# Altium PCB ControlBoard.PcbDoc (part 2 of 3) (continued)
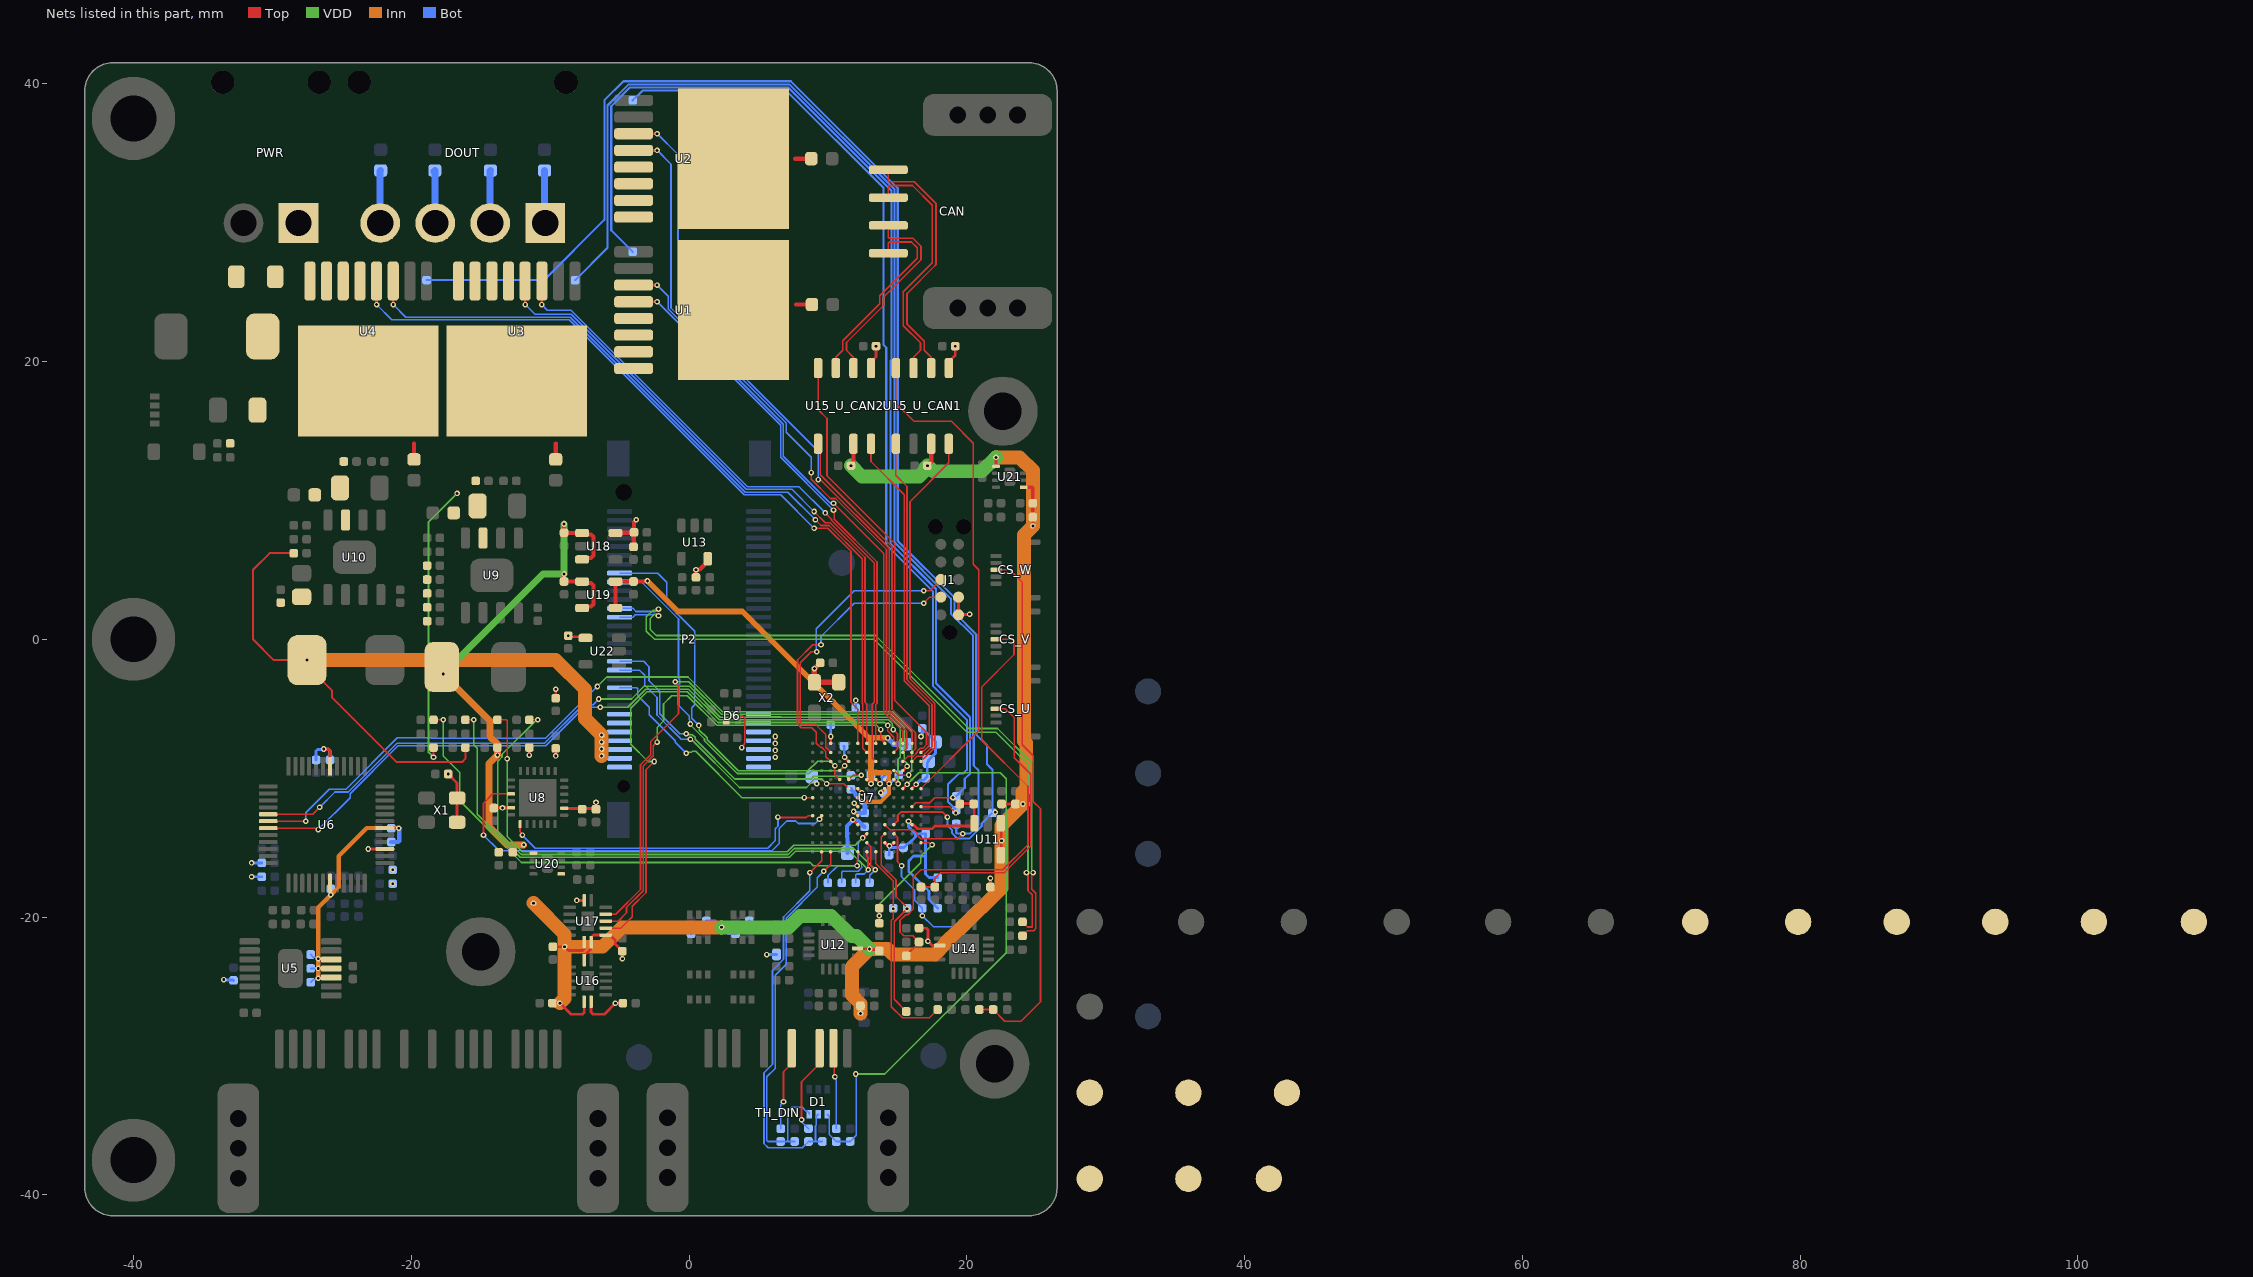
[diagram p6: the nets of this part, all layers, seen from the top]
## Part data (continued)
U18 U19: "LDO Regulator Pos 1.2V to 5.5V 0.4A Automotive 5-Pin SOT-23 T/R", Case/Package=SOT-23, Dropout Voltage=75mV, Manufacturer="Texas Instruments", Manufacturer Lifecycle Status=ACTIVE, Max Operating Temperature=125°C, Max Output current=400mA, Max Output Voltage=5.5V, Min Input Voltage=1.7V, Min Operating Temperature=-40°C, Min Output Voltage=1.2V, Output Voltage Accuracy=0.5%, Quiescent Current=300µA, Reference Voltage=1.21V, Supplier Part Number=296-36845-1-ND, Accuracy=1%, Category="LDO Voltage Regulators", ComponentLink1Description=https://sigma.octopart.com:443/177332311/technical_drawing/Texas-Instruments-TPS73601QDBVRQ1.pdf?src-supplier=Texas+Instruments, ComponentLink1URL=https://sigma.octopart.com:443/177332311/technical_drawing/Texas-Instruments-TPS73601QDBVRQ1.pdf?src-supplier=Texas+Instruments, ComponentLink2Description=https://octopart.com:443/opatz8j6/c1?t=IPrLS5GnXoEhlKIvtz8vMG7ybou4TW2YvgMpBNrA_XBAhXlKJ-zrlmMbTVttzpWN-kqJ0DoX4txIr-Aqzkx3XvKiTK9d7kplguMBUdBIgm-NC267quZrn1VNg12e0js8AT9Thc0GdTQDeFxHjO53u7kxM-RecPAvu05OmE9vMtDNG2p0jb4G6ceVO9_xYMpnSLp2EBQUC0MHOQO7NdqUr0_rllB7A0v-msh2wo99UWH-MCiJBTDrc9MeGvSxMuI3ivzzdCUtcAEoqCJ6K_E3PCyiy3lHf4XnvCOe_V8wTR0vzEiaJ2Yj43P2j64f32HLNWJ6_xf2cIxiYR0V7iX4t-HR5d5P2vTD5auGjySQBTSJVx_vKiry_PGPB71sg50onbc4Tboe&src-supplier=Texas+Instruments, ComponentLink2URL=https://octopart.com:443/opatz8j6/c1?t=IPrLS5GnXoEhlKIvtz8vMG7ybou4TW2YvgMpBNrA_XBAhXlKJ-zrlmMbTVttzpWN-kqJ0DoX4txIr-Aqzkx3XvKiTK9d7kplguMBUdBIgm-NC267quZrn1VNg12e0js8AT9Thc0GdTQDeFxHjO53u7kxM-RecPAvu05OmE9vMtDNG2p0jb4G6ceVO9_xYMpnSLp2EBQUC0MHOQO7NdqUr0_rllB7A0v-msh2wo99UWH-MCiJBTDrc9MeGvSxMuI3ivzzdCUtcAEoqCJ6K_E3PCyiy3lHf4XnvCOe_V8wTR0vzEiaJ2Yj43P2j64f32HLNWJ6_xf2cIxiYR0V7iX4t-HR5d5P2vTD5auGjySQBTSJVx_vKiry_PGPB71sg50onbc4Tboe&src-supplier=Texas+Instruments, ComponentLink3Description=https://sigma.octopart.com:443/175570406/technical_drawing/Texas-Instruments-TPS73601QDBVRQ1.pdf?src-supplier=Texas+Instruments, ComponentLink3URL=https://sigma.octopart.com:443/175570406/technical_drawing/Texas-Instruments-TPS73601QDBVRQ1.pdf?src-supplier=Texas+Instruments, ComponentLink4Description=https://sigma.octopart.com:443/169406034/technical_drawing/Texas-Instruments-TPS73601QDBVRQ1.pdf?src-supplier=Texas+Instruments, ComponentLink4URL=https://sigma.octopart.com:443/169406034/technical_drawing/Texas-Instruments-TPS73601QDBVRQ1.pdf?src-supplier=Texas+Instruments, ComponentLink5Description=https://sigma.octopart.com:443/155939316/technical_drawing/Texas-Instruments-TPS73601QDBVRQ1.pdf?src-supplier=Texas+Instruments, ComponentLink5URL=https://sigma.octopart.com:443/155939316/technical_drawing/Texas-Instruments-TPS73601QDBVRQ1.pdf?src-supplier=Texas+Instruments, ComponentLink6Description=https://sigma.octopart.com:443/102331370/technical_drawing/Texas-Instruments-TPS73601QDBVRQ1.pdf?src-supplier=Texas+Instruments, ComponentLink6URL=https://sigma.octopart.com:443/102331370/technical_drawing/Texas-Instruments-TPS73601QDBVRQ1.pdf?src-supplier=Texas+Instruments, ComponentLink7Description=https://datasheet.octopart.com:443/TPS73601QDBVRQ1-Texas-Instruments-datasheet-41218817.pdf?src-supplier=Texas+Instruments, ComponentLink7URL=https://datasheet.octopart.com:443/TPS73601QDBVRQ1-Texas-Instruments-datasheet-41218817.pdf?src-supplier=Texas+Instruments, ComponentLink8Description=https://sigma.octopart.com:443/49249325/technical_drawing/Texas-Instruments-TPS73601QDBVRQ1.pdf?src-supplier=Texas+Instruments, ComponentLink8URL=https://sigma.octopart.com:443/49249325/technical_drawing/Texas-Instruments-TPS73601QDBVRQ1.pdf?src-supplier=Texas+Instruments, ComponentLink9Description=https://datasheet.octopart.com:443/TPS73601QDBVRQ1-Texas-Instruments-datasheet-163782275.pdf?src-supplier=Augswan, ComponentLink9URL=https://datasheet.octopart.com:443/TPS73601QDBVRQ1-Texas-Instruments-datasheet-163782275.pdf?src-supplier=Augswan, ComponentLink10Description=http://sigma.octopart.com:80/reach_statement/Texas-Instruments-company-64.pdf?src-supplier=Compliance+Statements, ComponentLink10URL=http://sigma.octopart.com:80/reach_statement/Texas-Instruments-company-64.pdf?src-supplier=Compliance+Statements, ComponentLink11Description=http://sigma.octopart.com:80/conflict_mineral_statement/Texas-Instruments-company-63.pdf?src-supplier=Compliance+Statements, ComponentLink11URL=http://sigma.octopart.com:80/conflict_mineral_statement/Texas-Instruments-company-63.pdf?src-supplier=Compliance+Statements, Height=1.45mm, Lead Free="Lead Free", Length=2.9mm, Lifecycle Status=Production, Manufacturer Part Number=TPS73601QDBVRQ1, Max Supply Voltage=5.5V, Min Current Limit=400mA, Number of Channels=1, Number of Outputs=1, Number of Regulators=1, Output Current=400mA, Output Type=Adjustable, Output Voltage=5.5V, Packaging="Tape & Reel (TR)", Pins=5, Polarity=Positive, Pricing="1=2,89, 10=2,162, 25=1,9796, 100=1,7787, 250=1,68292, 500=1,62514, 1000=1,57759 (USD)", Radiation Hardening=No, RoHS=Compliant, Schedule B="8542390000, 8542390000|8542390000|8542390000|8542390000|8542390000", Stock=1826, Supplier=DigiKey, Supplier 1=DigiKey, Supplier Part Number 1=296-36845-1-ND, Thickness=1.2mm, Width=1.6mm
U20 U21: "Hot Swap Controller 1-CH 6V N-Channel Electronic Fuse/Hot Swap Controller 8-Pin DFN EP T/R", Manufacturer=Littelfuse, Max Operating Temperature=125°C, Max Supply Voltage=28V, Min Operating Temperature=-40°C, Min Supply Voltage=2.7V, Operating Supply Voltage=5V, Supplier Part Number=18-LS0505EVD22CT-ND, Category="Integrated Circuits (ICs)", ComponentLink1Description=https://datasheet.octopart.com:443/LS0505EVD22-Littelfuse-datasheet-166056112.pdf?src-supplier=IHS, ComponentLink1URL=https://datasheet.octopart.com:443/LS0505EVD22-Littelfuse-datasheet-166056112.pdf?src-supplier=IHS, Height - Seated (Max)=800µm, Length=2mm, Lifecycle Status=Production, Manufacturer Part Number=LS0505EVD22, Number of Channels=1, Number of Circuits=1, Number of Terminals=8, Pricing="1=0,75, 10=0,643, 100=0,5, 500=0,439, 1000=0,4131 (USD)", REACH SVHC=Yes, RoHS=Compliant, Stock=16008, Supplier=DigiKey, Supplier 1=DigiKey, Supplier Part Number 1=18-LS0505EVD22CT-ND, Terminal Pitch=500µm, Width=2mm
U22: "IC EEPROM 16KBIT I2C SOT23-5 EEPROM Memory IC 16Kbit I2C 1 MHz 450 ns SOT-23-5", Case/Package=SOT-23, Manufacturer=Microchip, Supplier Part Number=150-24FC16T-E/OT36KVAOTR-ND, Category=Memory, ComponentLink1Description=https://datasheet.octopart.com:443/24FC16T-E-OT36KVAO-Microchip-datasheet-159614128.pdf?src-supplier=Microchip, ComponentLink1URL=https://datasheet.octopart.com:443/24FC16T-E-OT36KVAO-Microchip-datasheet-159614128.pdf?src-supplier=Microchip, ComponentLink2Description=https://datasheet.octopart.com:443/24FC16T-E-OT36KVAO-Microchip-datasheet-185420243.pdf?src-supplier=Microchip, ComponentLink2URL=https://datasheet.octopart.com:443/24FC16T-E-OT36KVAO-Microchip-datasheet-185420243.pdf?src-supplier=Microchip, ComponentLink3Description=https://datasheet.octopart.com:443/24FC16T-E-OT36KVAO-Microchip-datasheet-138123575.pdf?src-supplier=Augswan, ComponentLink3URL=https://datasheet.octopart.com:443/24FC16T-E-OT36KVAO-Microchip-datasheet-138123575.pdf?src-supplier=Augswan, ComponentLink4Description=http://sigma.octopart.com:80/188449423/materials_sheet/Microchip-24FC16T-E-OT36KVAO.pdf?src-supplier=Compliance+Statements, ComponentLink4URL=http://sigma.octopart.com:80/188449423/materials_sheet/Microchip-24FC16T-E-OT36KVAO.pdf?src-supplier=Compliance+Statements, ComponentLink5Description=http://sigma.octopart.com:80/conflict_mineral_statement/Microchip-company-68.pdf?src-supplier=Compliance+Statements, ComponentLink5URL=http://sigma.octopart.com:80/conflict_mineral_statement/Microchip-company-68.pdf?src-supplier=Compliance+Statements, ComponentLink6Description=http://sigma.octopart.com:80/conflict_mineral_statement/Microchip-company-69.pdf?src-supplier=Compliance+Statements, ComponentLink6URL=http://sigma.octopart.com:80/conflict_mineral_statement/Microchip-company-69.pdf?src-supplier=Compliance+Statements, ComponentLink7Description=http://sigma.octopart.com:80/reach_statement/Microchip-company-70.pdf?src-supplier=Compliance+Statements, ComponentLink7URL=http://sigma.octopart.com:80/reach_statement/Microchip-company-70.pdf?src-supplier=Compliance+Statements, ComponentLink8Description=http://sigma.octopart.com:80/rohs_statement/Microchip-company-71.pdf?src-supplier=Compliance+Statements, ComponentLink8URL=http://sigma.octopart.com:80/rohs_statement/Microchip-company-71.pdf?src-supplier=Compliance+Statements, Country of Assembly=Thailand, Country of Fabrication="United States of America", Country of Origin=Thailand, Export Control Classification Number (ECCN) Code=EAR99, Harmonized Tariff Schedule (HTS) Code=8542.32.0051, Introduction Date=2021-08-26, Lifecycle Status=Production, Manufacturer Part Number=24FC16T-E/OT36KVAO, Pins=5, Pricing="3000=0,34 (USD)", Projected EOL Date=2049-08-26, Supplier=DigiKey, Supplier 1=DigiKey, Supplier Part Number 1=150-24FC16T-E/OT36KVAOTR-ND
X1 X2: "Crystal Oscillator 8MHz 1.8V/2.5V/3.3V 15pF 4-Pin SMD T/R", Frequency=8MHz, Frequency Stability=30ppm, Load Capacitance=15pF, Low Level Output Current=4mA, Manufacturer="KYOCERA AVX", Max Operating Temperature=125°C, Max Supply Current=6.5mA, Max Supply Voltage=3.63V, Min Operating Temperature=-40°C, Min Supply Voltage=1.71V, Supplier Part Number=478-MC3225Z8.00000C19XSHCT-ND, Category=Crystals, ComponentLink1Description=https://datasheet.octopart.com:443/MC3225Z8.00000C19XSH-KYOCERA-AVX-datasheet-165896879.pdf?src-supplier=IHS, ComponentLink1URL=https://datasheet.octopart.com:443/MC3225Z8.00000C19XSH-KYOCERA-AVX-datasheet-165896879.pdf?src-supplier=IHS, ComponentLink2Description=https://datasheet.octopart.com:443/MC3225Z80.0000C19XSH-KYOCERA-AVX-datasheet-180539762.pdf?src-supplier=IHS, ComponentLink2URL=https://datasheet.octopart.com:443/MC3225Z80.0000C19XSH-KYOCERA-AVX-datasheet-180539762.pdf?src-supplier=IHS, ComponentLink3Description=https://datasheet.octopart.com:443/MC3225Z8.00000C19XSH-KYOCERA-AVX-datasheet-188906256.pdf?src-supplier=TME, ComponentLink3URL=https://datasheet.octopart.com:443/MC3225Z8.00000C19XSH-KYOCERA-AVX-datasheet-188906256.pdf?src-supplier=TME, ComponentLink4Description=http://sigma.octopart.com:80/reach_statement/AVX-company-19.pdf?src-supplier=Compliance+Statements, ComponentLink4URL=http://sigma.octopart.com:80/reach_statement/AVX-company-19.pdf?src-supplier=Compliance+Statements, ComponentLink5Description=http://sigma.octopart.com:80/conflict_mineral_statement/AVX-company-34.pdf?src-supplier=Compliance+Statements, ComponentLink5URL=http://sigma.octopart.com:80/conflict_mineral_statement/AVX-company-34.pdf?src-supplier=Compliance+Statements, Fall Time=1.5ns, Lifecycle Status=Production, Manufacturer Part Number=MC3225Z8.00000C19XSH, Mounting Technology="Surface Mount", Number of Terminals=4, Pricing="1=1,44, 10=1,248, 25=1,18, 50=1,131, 100=1,0842, 250=1,02532, 500=0,98292, 1000=0,9423 (USD)", REACH SVHC=Yes, Rise Time=1.5ns, RoHS=Compliant, Stock=5787, Supplier=DigiKey, Supplier 1=DigiKey, Supplier Part Number 1=478-MC3225Z8.00000C19XSHCT-ND

## Free pads (board coordinates)
  round 6 hole 3.3: M(-40,-37.5) M(-40,0) M(-40,37.5)
  round 5 hole 2.7: M(-15,-22.5) M(22,-30.58) M(22.6,16.42)

## Via types
v1: diameter 0.4, hole 0.2, Top to Bot, tented both sides, 485 vias
v2: diameter 0.5, hole 0.25, Top to Bot, tented both sides, 15 vias

## Nets (pads, with @x,y where several pads share a name; then routed paths per layer and width w, separated by ;. In a path a pad name is that pad's centre, name@x,y a point inside that pad or via, vN(x,y) a via of type N, cw(c..) or ccw(c..) an arc to the next point about the centre after c; other vN are vias at no path point)
1V2: C38.1 C39.1 C40.1 C41.1 C42.1 C94.2 U7.F5 U7.F7 U7.G9 U7.J9 U19.4 U19.5 | length 42.3
  Top w0.2: v1(11.85,-12.4) U7.F5@12.15,-12.7 ; U7.F7@12.15,-11.4 v1(12.45,-11.7) ; U7.G9@12.8,-10.1 v1(13.1,-10.4) ; U7.J9@14.1,-10.1 v1(14.4,-10.4)
  Top w0.3: U19.4@-5.3,2.25 U19.5@-5.3,4.15 -5.295,4.155 -4.005,4.155 C94.2@-4,4.16 -3.067,4.16 -3.027,4.2 v1(-3,4.2)
  Inn w0.3: v1(12.45,-11.7) 13.798,-11.7 13.974,-11.524 14.223,-11.274 14.4,-11.098 v1(14.4,-10.4) 14.4,-9.6
  Inn w0.4: v1(-3,4.2) -0.8,2 3.844,2 10.068,-4.224 10.097,-4.224 10.376,-4.503 10.376,-4.532 12.944,-7.1 ; v1(13.1,-10.4) 13.1,-9.6 ; v1(14.3,-7.1) 13.1,-7.1 12.944,-7.1 ; 14.4,-9.6 13.1,-9.6 ; 12.944,-7.1 13.1,-7.256 13.1,-9.6
  Bot w0.2: v1(13.1,-10.4) C42.1@13.1,-9.76 ; v1(14.4,-10.4) 14.43,-10.4 15.07,-9.76 C41.1@15.1,-9.76
  Bot w0.3: C40.1@11.66,-10.8 11.66,-10.803 12.007,-11.149 12.007,-11.23 12.45,-11.673 v1(12.45,-11.7) 12.45,-11.727 12.649,-11.926 12.649,-12.491 C39.1@12.64,-12.5 11.977,-12.5 11.877,-12.4 v1(11.85,-12.4)
  Bot w0.4: v1(14.3,-7.1) 14.75,-7.55 C38.1@15.6,-7.55
3F_RECT_FB: P2.53 U7.D9 | length 28.1
  Top w0.1: v1(10.5,-9.1) 10.5,-9.75 U7.D9@10.85,-10.1
  VDD w0.1: v1(0.7,-6.2) 0.744,-6.244 0.744,-6.55 1.299,-7.106 1.299,-7.24 3.538,-9.479 8.55,-9.479 9.255,-8.774 10.174,-8.774 v1(10.5,-9.1)
  Bot w0.1: P2.53@-5,4.763 -2.262,4.763 -1.618,4.118 -1.618,2.582 0.4,0.563 0.4,-4.719 0.2,-4.919 0.2,-5.7 v1(0.7,-6.2)
3F_RECT_ON: P2.52 U7.D10 | length 26.8
  Top w0.12: U7.D10@10.85,-9.45 v1(11.2,-9.1)
  VDD w0.12: v1(0.1,-6.1) 0.1,-6.17 1.113,-7.183 1.113,-7.317 3.461,-9.665 8.627,-9.665 8.817,-9.475 10.825,-9.475 v1(11.2,-9.1)
  Bot w0.12: P2.52@-5,4.127 -3.427,4.127 -0.764,1.464 -0.764,-2.817 -0.664,-2.917 -0.664,-3.195 -0.764,-3.295 -0.764,-4.742 0.014,-5.519 0.014,-5.777 0.046,-5.81 0.046,-6.046 v1(0.1,-6.1)
3V3: C11.1 C15.1 C16.1 C26.1 C28.1 C29.1 C30.1 C31.1 C32.1 C33.1 C34.1 C36.1 C43.1 C47.1 C48.1 C49.2 C50.2 C51.2 C72.1 C74.1 C77.1 C80_U_CAN1.1 C80_U_CAN2.1 C87.1 C89.1 C92.2 D3.2 D6.1 FB1.1 J1.1 J1.2 P2.1 P2.2 P2.3 P2.4 P2.5 P2.6 P2.7 R20.1 R22.2 R23.2 R24.2 R25.2 R34.2 R42.2 R48.2 R102.1 R110.2 TP19.1 U6.3 U6.18 U7.C13 U7.E11 U7.F4 U7.F6 U7.F8 U7.H9 U7.J8 U7.M8 U8.5 U8.14 U13.5 U14.2 U15_U_CAN1.5 U15_U_CAN2.5 U16.1 U16.8 U17.1 U17.2 U17.8 U18.5 U22.4 X1.1 X1.4 X2.1 X2.4 | length 64.5
  Top w0.12: D6.1@2.675,-5.925 3.1,-5.5 3.83,-5.5 4,-5.67 4,-7.524 3.8,-7.724 v1(3.8,-7.8)
  Top w0.2: v1(-26.3,-7.9) -26.262,-7.938 -25.967,-7.938 -25.85,-8.055 U6.18@-25.85,-9.15 ; v1(-23.1,-15.1) U6.3@-21.9,-15.1 ; v1(-17.34,-9.7) -16.7,-10.34 X1.1@-16.7,-11.425 X1.4@-16.7,-13.175 ; C51.2@-14.05,-12.153 -14.04,-12.143 v1(-13.431,-12.143) -12.823,-12.143 U8.5@-12.813,-12.134 ; v1(-11.5,-8.34) R102.1@-11.5,-7.8 ; v1(-9.6,-8.4) R48.2@-9.6,-7.86 ; R42.2@-9.6,-4.24 v1(-9.6,-3.6) ; U8.14@-8.987,-12.166 -8.967,-12.186 -6.754,-12.186 C49.2@-6.7,-12.24 v1(-6.7,-11.75) ; v1(-8.7,0.26) -8.619,0.179 -7.535,0.179 U22.4@-7.454,0.097 ; v1(-8.09,-18.8) U17.8@-7.55,-18.8 ; U16.8@-7.55,-23.1 -7.55,-22.77 -7.07,-22.29 -7.07,-21.82 U17.1@-7.05,-21.8 -7.05,-21.47 -6.88,-21.3 U17.2@-6,-21.3 -5.67,-21.3 -5.313,-21.657 -5.313,-21.947 C87.1@-4.8,-22.46 v1(-4.8,-23) ; U16.1@-7.05,-26.1 -7.05,-26.85 -6.9,-27 -6.1,-27 v1(-5.3,-26.2) C89.1@-4.76,-26.2 ; U7.C13@10.2,-7.5 v1(10.2,-7) ; v1(11.2,-8.5) U7.E11@11.5,-8.8 ; v1(11.8,-13) U7.F4@12.15,-13.35 ; v1(11.9,-11.8) U7.F6@12.15,-12.05 ; U7.F8@12.15,-10.75 v1(12.45,-11.05) ; U15_U_CAN2.5@13.105,19.525 13.105,19.977 13.46,20.332 v1(13.46,21.1) ; U7.H9@13.45,-10.1 v1(13.75,-10.4) ; v1(13.8,-11.05) U7.J8@14.1,-10.75 ; U7.M8@16.05,-10.75 v1(16.35,-10.45) ; C77.1@16.56,-20.8 17.083,-20.8 17.2,-20.917 v1(17.2,-21.74) 17.51,-22.05 U14.2@18.05,-22.05 ; U15_U_CAN1.5@18.705,19.525 18.705,19.976 19.16,20.431 v1(19.16,21.1) ; J1.2@19.4,3.03 J1.1@19.4,1.76 19.42,1.78 20.18,1.78 v1(20.2,1.8)
  Top w0.3: U18.5@-5.3,7.65 -5.275,7.675 -3.985,7.675 C92.2@-3.98,7.68 ; R110.2@-4,6.66 -3.98,6.68 C92.2@-3.98,7.68 ; v1(-3.8,8.6) -3.96,8.44 C92.2@-3.96,7.7 C92.2@-3.98,7.68 ; C72.1@0.5,4.46 v1(0.5,5) 0.519,5.019 0.769,5.019 1.35,5.6 U13.5@1.35,5.8
  Top w0.4: C26.1@9.44,-1.7 v1(9.025,-2.115) X2.1@9.025,-3.1 X2.4@10.775,-3.1
  Bot w0.2: v1(-33.5,-24.5) -33.47,-24.53 -32.83,-24.53 R20.1@-32.8,-24.56 ; v1(-31.5,-17.1) R22.2@-30.76,-17.1 ; v1(-31.5,-16.1) R23.2@-30.76,-16.1 ; C15.1@-26.85,-8.69 -26.85,-8.055 -26.733,-7.938 -26.338,-7.938 v1(-26.3,-7.9) -25.967,-7.9 -25.85,-8.017 C16.1@-25.85,-8.69 ; v1(5.6,-22.7) D3.2@6.3,-22.7 ; v1(10.2,-7) C29.1@10.2,-6.16 ; C33.1@11.16,-7.7 11.18,-7.72 11.18,-8.48 v1(11.2,-8.5) ; R34.2@12,-4.94 v1(12,-4.4) ; v1(13.75,-10.4) 13.75,-10.346 13.924,-10.172 13.924,-9.936 C32.1@14.1,-9.76 ; v1(16.35,-10.45) 16.646,-10.154 16.886,-10.154 C48.1@17.04,-10 17.145,-9.895 17.145,-8.905 C28.1@17.25,-8.8 17.25,-8.707 17.75,-8.207 C43.1@17.75,-7.4 17.75,-7.372 C36.1@16.8,-6.422 ; v1(16.7,-7) 16.8,-6.9 C36.1@16.8,-6.422 ; C36.1@16.8,-6.42 C36.1@16.8,-6.422
  Bot w0.3: FB1.1@11.4,-15.4 11.4,-14.268 11.374,-14.242 11.374,-13.453 11.8,-13.027 v1(11.8,-13) 11.838,-13.038 12.148,-13.038 12.61,-13.5 C30.1@12.64,-13.5
  other v1: -21.34,-17.6 -21.34,-16.6 9.2,-10.4 6.2,-8.5 6.2,-8 6.2,-7.5 6.2,-7
3V3_MEAS_MCU: C86.1 R103.2 U7.G2 | length 41.8
  Top w0.12: R103.2@-11.5,-5.8 v1(-10.9,-5.8) ; U7.G2@12.8,-14.65 13.086,-14.936 13.086,-16.286 v1(13.4,-16.6)
  VDD w0.12: v1(-10.9,-5.8) -10.975,-5.8 -13.464,-8.288 -13.464,-8.479 -13.768,-8.783 -13.768,-13.81 -12.081,-15.496 7.151,-15.496 7.579,-15.068 11.868,-15.068 v1(13.4,-16.6)
  Bot w0.12: C86.1@13,-17.54 13,-17 v1(13.4,-16.6)
3V3REF: C27.1 C35.1 C37.1 C66.1 C67.1 R30.2 R31.2 TP20.1 U7.J2 U7.K2 U7.M4 U11.6 | length 22.9
  Top w0.2: U7.J2@14.1,-14.65 14.114,-14.65 14.342,-14.879 v1(14.425,-14.879) 14.508,-14.879 14.736,-14.65 U7.K2@14.75,-14.65 ; v1(15.8,-13.1) 15.808,-13.1 16.05,-13.342 U7.M4@16.05,-13.35 16.06,-13.36 16.178,-13.36 16.469,-13.651 17.482,-13.651 17.696,-13.437 20.363,-13.437 U11.6@20.55,-13.25 20.535,-13.235 20.535,-11.895 20.475,-11.835 19.525,-11.835 C67.1@19.5,-11.86
  Bot w0.2: C37.1@14.4,-15.54 14.412,-15.528 14.412,-14.891 v1(14.425,-14.879) 14.479,-14.879 14.6,-15 C27.1@15.44,-15 15.47,-15 15.794,-14.676 15.856,-14.676 16.3,-14.232 16.3,-14 ; v1(15.8,-13.1) 15.8,-13.5 16.3,-14 ; 17.004,-15.6 16.168,-15.6 15.824,-15.944 15.824,-16.719 17.058,-17.954 17.092,-17.954 17.286,-18.148 17.286,-18.746 R31.2@17.9,-19.36 ; 17.024,-16.894 17.024,-14.016 C35.1@17.04,-14 16.3,-14 ; 17.038,-16.908 17.29,-17.16 R30.2@17.9,-17.16
5V: C12.1 C13.1 C14.1 C17.2 C18.1 C19.1 C55.1 C56.1 C57.1 C58.1 C64.1 C65.1 C71.1 C81_U_CAN1.2 C81_U_CAN2.2 C88.2 C90.2 C91.2 C93.2 C100.1 C101.2 C104.1 C105.2 L1.2 R38.2 R59.1 R61.2 R62.2 R63.2 R64.2 R99.1 TP18.1 U5.10 U5.11 U5.12 U6.6 U6.43 U11.3 U11.4 U12.2 U15_U_CAN1.3 U15_U_CAN2.3 U16.14 U17.14 U18.1 U18.3 U19.1 U19.3 U20.1 U20.5 U21.1 U21.5 | length 184.4
  Top w0.12: v1(-26.7,-24.4) -26.675,-24.375 -25.787,-24.375 U5.10@-25.762,-24.35 ; v1(-26.7,-23.7) U5.11@-25.762,-23.7 ; v1(-26.7,-23) -26.675,-23.025 -25.787,-23.025 U5.12@-25.762,-23.05 ; U6.6@-21.9,-13.6 v1(-20.9,-13.6)
  Top w0.2: v1(-13.8,-8.34) R99.1@-13.8,-7.8 ; C90.2@-9.84,-26.2 v1(-9.3,-26.2) -8.5,-27 -7.667,-27 -7.55,-26.883 U16.14@-7.55,-26.1 ; C88.2@-9.8,-22.14 v1(-8.96,-22.14) -8.7,-22.4 -7.687,-22.4 -7.57,-22.283 -7.57,-21.82 U17.14@-7.55,-21.8 ; U12.2@12.129,-22.255 12.151,-22.278 12.978,-22.278 v1(13,-22.3) 13.038,-22.338 13.598,-22.338 C71.1@13.7,-22.44 ; v1(12.344,-26.942) R59.1@12.344,-26.402 ; U21.5@22.1,12.45 v1(22.1,13.09) ; U11.3@22.45,-15.55 22.475,-15.525 22.475,-14.525 v1(22.5,-14.5) 22.475,-14.475 22.475,-13.275 U11.4@22.45,-13.25 ; C65.1@22.5,-11.86 C64.1@23.5,-11.86 v1(24.04,-11.86) ; v1(24.76,8.16) C104.1@24.76,8.8
  Top w0.25: U21.1@24.1,10.95 24.11,10.96 24.69,10.96 24.76,10.89 C105.2@24.76,9.8 C104.1@24.76,8.8
  Top w0.3: v1(-9,4.7) C93.2@-9,4.16 -8.995,4.155 -7.705,4.155 -7.602,4.052 -7.05,4.052 -6.874,3.876 -6.874,2.524 -7.05,2.348 -7.602,2.348 U19.3@-7.7,2.25 ; v1(-9,8.3) C91.2@-9,7.66 -8.995,7.655 -7.705,7.655 -7.602,7.552 -7.05,7.552 -6.874,7.376 -6.874,6.024 -7.05,5.848 -7.602,5.848 U18.3@-7.7,5.75 ; v1(11.66,12.5) 11.66,12.503 11.835,12.678 U15_U_CAN2.3@11.835,14.075 ; v1(17.16,12.5) 17.16,12.503 17.435,12.778 U15_U_CAN1.3@17.435,14.075
  VDD w0.5: v1(-17.7,-2.5) -10.5,4.7 v1(-9,4.7) v1(-9,8.3)
  VDD w1: v1(2.342,-20.742) 7.158,-20.742 7.976,-19.924 10.24,-19.924 11.692,-21.376 12.076,-21.376 v1(13,-22.3) ; v1(11.66,12.5) 12.436,11.724 16.562,11.724 17.016,12.178 17.016,12.356 v1(17.16,12.5) 17.56,12.1 21.11,12.1 v1(22.1,13.09)
  Inn w0.3: v1(-26.7,-24.4) v1(-26.7,-23.7) v1(-26.7,-23) -26.7,-19.3 v1(-25.8,-18.4) -25.226,-17.826 -25.226,-15.623 -23.203,-13.6 v1(-20.9,-13.6)
  Inn w0.5: v1(-17.7,-2.5) -14.326,-5.874 -14.326,-7.018 -13.8,-7.544 v1(-13.8,-8.34) -14.4,-8.94 -14.4,-13.5 -13.1,-14.8 v1(-11.9,-14.8)
  Inn w1: v1(-11.2,-19) -8.96,-21.24 v1(-8.96,-22.14) ; v1(-9.3,-26.2) -8.96,-25.86 v1(-8.96,-22.14) ; v1(2.342,-20.742) -4.842,-20.742 -6.24,-22.14 v1(-8.96,-22.14) ; v1(12.344,-26.942) 12.344,-26.244 11.724,-25.624 11.724,-23.576 v1(13,-22.3) 14.3,-22.3 14.7,-22.7 17.7,-22.7 18.374,-22.026 18.374,-21.958 19.458,-20.874 19.526,-20.874 22.5,-17.9 v1(22.5,-14.5) 22.5,-13.4 v1(24.04,-11.86) 24.003,-11.823 24.003,-10.995 24.276,-10.722 24.276,-7.474 24.124,-7.322 24.124,7.524 v1(24.76,8.16) 24.76,12.14 23.81,13.09 v1(22.1,13.09)
  Bot w0.12: C19.1@-27.24,-24.7 -27.049,-24.509 -26.884,-24.509 -26.776,-24.4 v1(-26.7,-24.4) ; C18.1@-27.24,-23.7 v1(-26.7,-23.7) ; C17.2@-27.24,-22.7 -27.049,-22.891 -26.884,-22.891
  Bot w0.2: R61.2@0.144,-21.202 0.888,-20.458 1.068,-20.458 R62.2@1.244,-20.282 1.882,-20.282 v1(2.342,-20.742) 2.802,-21.202 R63.2@3.344,-21.202 4.088,-20.458 4.168,-20.458 R64.2@4.344,-20.282
  Bot w0.3: C14.1@-21.44,-14.6 -20.94,-14.6 -20.87,-14.53 -20.87,-13.63 v1(-20.9,-13.6) C12.1@-21.44,-13.6
5V_MEAS_MCU: C85.1 R100.2 U7.G3 | length 40.7
  Top w0.12: R100.2@-13.8,-5.8 -13.17,-5.8 -13.1,-5.87 v1(-13.1,-8.6)
  Top w0.2: v1(12.5,-14.3) U7.G3@12.8,-14
  VDD w0.12: v1(-13.1,-8.6) -13.095,-8.605 -13.095,-14.205 -12,-15.3 7.07,-15.3 7.537,-14.832 11.968,-14.832 v1(12.5,-14.3)
  Bot w0.12: C85.1@11,-17.54 11,-16.77 11.07,-16.7 12.175,-16.7 12.436,-16.439 12.436,-16.161 12.175,-15.9 12.175,-14.625 v1(12.5,-14.3)
24V: C62.1 C63.1 L2.2 P2.31 P2.32 P2.33 P2.34 P2.35 P2.36 P2.37 R45.2 R96.1 TP17.1 | length 55
  Top w0.15: R45.2@-28.46,6.2 -30.2,6.2 -31.4,5 -31.4,0 -29.9,-1.5 v1(-27.5,-1.5) -27.5,-1.9 -25.7,-3.7 -25.7,-4.2 -21.049,-8.851 -16.351,-8.851 -16.1,-8.6 R96.1@-16.1,-7.8
  Inn w1: v1(-27.5,-1.5) -9.6,-1.5 -7.5,-3.6 -7.5,-5.7 v1(-6.3,-6.9) v1(-6.3,-7.4) v1(-6.3,-7.9) v1(-6.3,-8.4)
24V_MEAS_MCU: C84.1 R97.2 U7.G1 | length 40.6
  Top w0.12: R97.2@-16.1,-5.8 v1(-15.5,-5.8) ; U7.G1@12.8,-15.3 12.8,-15.609 12.889,-15.698 12.889,-16.589 v1(12.9,-16.6)
  VDD w0.12: v1(-15.5,-5.8) -15.5,-7.6 -15.245,-7.855 -15.245,-12.61 -12.163,-15.692 7.232,-15.692 7.661,-15.264 11.557,-15.264 12.893,-16.6 v1(12.9,-16.6)
  Bot w0.12: C84.1@12,-17.54 12,-16.966 12.07,-16.896 12.604,-16.896 v1(12.9,-16.6)
48V: C1.1 C5.1 C52.1 C53.1 C59.1 C60.1 C95.1 C97.1 C99.1 D7.2 F1.1 R36.2 R40.2 R43.2 R93.1 TP16.1 U1.EP U2.EP U3.EP U4.EP U9.3 U10.3 | length 25.3
  Top w0.15: v1(-18.4,-8.5) R93.1@-18.4,-7.8
  Top w0.3: C97.1@-19.8,12.95 -19.8,14.1 ; C95.1@-9.6,12.95 -9.6,14.1 ; 7.65,34.6 C5.1@8.8,34.6 ; 7.7,24.1 C1.1@8.85,24.1
  VDD w0.15: v1(-18.4,-8.5) -18.751,-8.149 -18.751,8.449 v1(-16.7,10.5)
48V_IN: F1.2 PWR.1 TP15.1
48V_MEAS_MCU: C83.1 R94.2 U7.F1 | length 41.5
  Top w0.12: R94.2@-18.4,-5.8 v1(-17.7,-5.8) ; v1(12.1,-16.3) 12.1,-15.778 12.15,-15.728 U7.F1@12.15,-15.3
  VDD w0.12: v1(-17.7,-5.8) -17.7,-8.4 -16.504,-9.596 -16.504,-11.629 -12.065,-16.068 8.721,-16.068 8.953,-16.3 v1(12.1,-16.3)
  Bot w0.12: C83.1@10,-17.54 10,-17 10.7,-16.3 v1(12.1,-16.3)
ACC/GYRO_INT1: U7.A5 U8.7 | length 24
  Top w0.12: U8.7@-12.166,-13.313 -12.166,-13.858 -12,-14.024 v1(-12,-14.1) ; v1(6.4,-12.8) 6.436,-12.836 8.439,-12.836 8.575,-12.7 U7.A5@8.9,-12.7
  Bot w0.12: v1(-12,-14.1) -11.064,-15.036 5.664,-15.036 6.212,-14.488 6.212,-13.635 6.4,-13.447 v1(6.4,-12.8)
ACC/GYRO_INT2: U7.B5 U8.3 | length 31.3
  Top w0.12: v1(-14.8,-14.1) -14.8,-11.8 -14.134,-11.134 U8.3@-12.813,-11.134 ; v1(9.392,-12.964) 9.389,-12.961 9.389,-12.861 U7.B5@9.55,-12.7
  Bot w0.12: v1(-14.8,-14.1) -13.668,-15.232 5.968,-15.232 6.499,-14.701 6.499,-13.625 7.04,-13.084 7.676,-13.084 7.861,-13.269 9.087,-13.269 v1(9.392,-12.964)
CAN1_RX: U7.N11 U15_U_CAN1.4 | length 25.2
  Top w0.12: U7.N11@16.7,-8.8 17.075,-8.425 17.083,-8.425 17.689,-7.819 17.689,-4.621 15.911,-2.844 15.911,9.911 18.705,12.705 U15_U_CAN1.4@18.705,14.075
CAN1_STB: U7.N8 U15_U_CAN1.8 | length 36.1
  Top w0.12: U15_U_CAN1.8@14.895,19.525 14.895,17.005 16.2,15.7 18.9,15.7 20.475,14.125 20.475,5.398 20.868,5.005 20.868,-6.582 U7.N8@16.7,-10.75
CAN1_TX: U7.M11 U15_U_CAN1.1 | length 24.8
  Top w0.12: U15_U_CAN1.1@14.895,14.075 14.895,11.805 15.696,11.004 15.696,-2.906 17.492,-4.702 17.492,-7.738 17.002,-8.229 16.994,-8.229 16.811,-8.411 16.439,-8.411 U7.M11@16.05,-8.8
CAN2_RX: U7.N12 U15_U_CAN2.4 | length 24.3
  Top w0.12: U15_U_CAN2.4@13.105,14.075 13.105,12.795 15.5,10.4 15.5,-2.987 17.296,-4.784 17.296,-7.657 16.921,-8.032 16.853,-8.032 16.735,-8.15 U7.N12@16.7,-8.15
CAN2_STB: U7.L11 U15_U_CAN2.8 | length 32.6
  Top w0.12: U15_U_CAN2.8@9.295,19.525 9.295,16.532 9.927,15.9 9.927,11.773 14.804,6.896 14.804,-4.404 17.1,-6.7 17.1,-7.575 16.839,-7.836 16.644,-7.836 16.439,-8.042 16.439,-8.131 16.158,-8.411 15.789,-8.411 U7.L11@15.4,-8.8
CAN2_TX: U7.M12 U15_U_CAN2.1 | length 25.2
  Top w0.12: U15_U_CAN2.1@9.295,14.075 9.438,13.932 9.438,11.838 14.608,6.668 14.608,-5.019 16.311,-6.722 16.311,-7.889 U7.M12@16.05,-8.15
CAN_U_CAN1_N: CAN.1 U15_U_CAN1.6 | length 18.3
  Top w0.125: CAN.1@14.35,33.8 14.35,33.023 14.423,32.95 16.207,32.95 17.789,31.368 17.789,26.989 17.708,26.908 15.7,24.9 15.7,22.689 16.938,21.452 16.938,20.81 17.435,20.313 U15_U_CAN1.6@17.435,19.525
CAN_U_CAN1_P: CAN.2 U15_U_CAN1.7 | length 17.9
  Top w0.125: CAN.2@14.35,31.8 14.35,32.601 14.423,32.674 16.093,32.674 17.513,31.254 17.513,27.103 15.425,25.014 15.425,22.575 16.662,21.338 16.662,20.81 16.165,20.313 U15_U_CAN1.7@16.165,19.525
CAN_U_CAN2_N: CAN.3 U15_U_CAN2.6 | length 14.7
  Top w0.125: U15_U_CAN2.6@11.835,19.525 11.835,20.313 11.338,20.81 11.338,21.369 14,24.032 14,24.619 16.7,27.319 16.7,28.3 16.125,28.875 14.423,28.875 14.35,28.949 CAN.3@14.35,29.8
CAN_U_CAN2_P: CAN.4 U15_U_CAN2.7 | length 14.1
  Top w0.125: U15_U_CAN2.7@10.565,19.525 10.565,20.313 11.062,20.81 11.062,21.483 13.725,24.146 13.725,24.733 16.425,27.433 16.425,28.186 16.011,28.6 14.423,28.6 14.35,28.527 CAN.4@14.35,27.8
CURR_MCU_U: C73.1 R69.2 TP12.1 U7.K3 | length 15.2
  Top w0.12: U7.K3@14.75,-14 15.011,-14.261 15.011,-16.011 v1(15.3,-16.3) ; R69.2@21.7,-17.84 v1(21.7,-17.2)
  Bot w0.12: v1(15.3,-16.3) 15.3,-17.1 16.254,-18.054 16.254,-18.814 C73.1@16.8,-19.36 v1(16.8,-19.9) 17.6,-20.7 20.1,-20.7 21.7,-19.1 v1(21.7,-17.2)
CURR_MCU_V: C75.1 R76.2 TP13.1 U7.J3 | length 14.4
  Top w0.12: U7.J3@14.1,-14 13.839,-14.261 13.839,-16.261 14.896,-17.319 14.896,-18.521 15.7,-19.325 v1(15.7,-19.4) 14.764,-20.336 14.764,-25.924 R76.2@15.64,-26.8
CURR_MCU_W: C78.1 R83.2 TP14.1 U7.H1 | length 15.6
  Top w0.12: U7.H1@13.45,-15.3 13.45,-16.15 14.7,-17.4 14.7,-20.123 14.568,-20.255 14.568,-26.45 15.364,-27.246 17.314,-27.246 R83.2@17.9,-26.66
  other v1: 14.7,-19.4
CURR_SNSR_U: CS_U.3 R70.1 R72.2 | length 20.8
  Top w0.12: R72.2@16.7,-17.84 17.7,-17.84 17.7,-17.2 18.1,-16.8 22.677,-16.8 24.596,-14.881 24.596,-9.728 23.408,-8.539 23.408,-5.632 22.775,-5 CS_U.3@22.1,-5
CURR_SNSR_V: CS_V.3 R77.1 R79.2 | length 35
  Top w0.12: R77.1@15.64,-22.8 15.64,-22.76 16.56,-21.84 R79.2@16.56,-21.8 16.102,-21.342 15.46,-21.342 15.194,-21.076 15.194,-20.231 15.595,-19.83 15.745,-19.83 16.154,-19.422 16.154,-17.146 16.696,-16.604 22.596,-16.604 24.4,-14.8 24.4,-10.6 21.064,-7.264 21.064,-3.436 23.4,-1.1 23.4,-0.2 23.2,0 CS_V.3@22.1,0
CURR_SNSR_W: CS_W.3 R84.1 R86.2 | length 38.3
  Top w0.12: R86.2@20.9,-26.66 R84.1@21.9,-26.66 22.74,-27.5 23.9,-27.5 25.3,-26.1 25.3,-12.2 24.792,-11.692 24.792,-8.392 24,-7.6 24,4.1 23.1,5 CS_W.3@22.1,5
DBG_UART_RX: J1.9 U7.C11 | length 21.3
  Top w0.12: v1(9.5,-0.4) 8.9,-0.4 7.804,-1.496 7.804,-6.081 8.086,-6.364 8.839,-6.364 9.161,-6.686 9.161,-7.481 9.463,-7.782 9.551,-7.782 9.853,-8.083 9.853,-8.453 U7.C11@10.2,-8.8 ; v1(16.9,2.6) 17.315,3.015 18.115,3.015 J1.9@18.13,3.03
  Bot w0.12: v1(9.5,-0.4) 9.5,0.2 11.9,2.6 v1(16.9,2.6)
DBG_UART_TX: J1.8 U7.C12 | length 21.6
  Top w0.12: v1(9.2,-0.9) 8.8,-0.9 8,-1.7 8,-6 8.132,-6.132 9.108,-6.132 9.836,-6.861 9.836,-7.786 U7.C12@10.2,-8.15 ; v1(16.9,3.5) 17.33,3.5 J1.8@18.13,4.3
  Bot w0.12: v1(9.2,-0.9) 9.164,-0.864 9.164,0.764 11.9,3.5 v1(16.9,3.5)
DCLINK_DIAG: P2.42 U7.E8 | length 21.7
  Top w0.12: v1(9.9,-10.4) 11.15,-10.4 U7.E8@11.5,-10.75
  VDD w0.12: v1(0.1,-7.2) 0.163,-7.2 3.631,-10.668 8.457,-10.668 9.061,-10.064 9.564,-10.064 v1(9.9,-10.4)
  Bot w0.12: P2.42@-5,-2.222 -3.569,-2.222 -3.199,-2.593 -3.199,-3.299 -2.303,-4.195 -2.303,-5.45 -0.553,-7.2 v1(0.1,-7.2)
DCLINK_FASTBLEED: P2.43 U7.E9 | length 23.7
  Top w0.12: U7.E9@11.5,-10.1 11.808,-9.792 v1(12.407,-9.792)
  VDD w0.12: v1(-0.2,-6.8) -0.146,-6.854 0.095,-6.854 0.105,-6.864 0.121,-6.864 0.239,-6.864 0.436,-7.061 0.436,-7.195 3.298,-10.057 8.79,-10.057 8.979,-9.868 12.01,-9.868 12.032,-9.845 12.353,-9.845 v1(12.407,-9.792)
  Bot w0.12: P2.43@-5,-1.587 -3.27,-1.587 -2.881,-1.977 -2.881,-2.981 -2.106,-3.756 -2.106,-5.369 -0.675,-6.8 v1(-0.2,-6.8)
DCLINK_MCU: C82.1 R90.2 U7.N2 | length 8.6
  Top w0.12: R90.2@13.7,-20.44 v1(13.7,-19.9) C82.1@13.7,-19.36 ; U7.N2@16.7,-14.65 17.274,-14.65 17.424,-14.8 v1(17.5,-14.8)
  VDD w0.12: v1(13.7,-19.9) 13.7,-19.075 16.691,-16.084 16.691,-15.609 v1(17.5,-14.8)
DCLINK_N: P2.49 R88.1 | length 49.3
  Top w0.12: R88.1@24.01,-20.35 24.375,-20.715 24.7,-20.715 24.7,-18.4 24.4,-18.1 24.4,-16.9 24.3,-16.8 v1(24.297,-16.8)
  VDD w0.12: v1(-2.2,2.173) -2.2,2.17 -2.3,2.07 -2.612,2.07 -3.07,1.612 -3.07,0.588 -2.482,0 13.318,0 20.018,-6.7 22.1,-6.7 24.4,-9 24.4,-16.697 v1(24.297,-16.8)
  Bot w0.12: P2.49@-5,2.222 -4.04,2.222 -3.822,2.004 -2.445,2.004 -2.276,2.173 v1(-2.2,2.173)
DCLINK_P: P2.48 R91.1 | length 49.2
  Top w0.12: R91.1@24.01,-21.35 24.375,-20.985 24.812,-20.985 24.97,-20.827 24.97,-18.288 24.67,-17.988 24.67,-16.9 24.77,-16.8 v1(24.773,-16.8)
  VDD w0.12: v1(-2.2,1.697) -2.2,1.7 -2.3,1.8 -2.5,1.8 -2.8,1.5 -2.8,0.7 -2.37,0.27 13.43,0.27 20.13,-6.43 22.212,-6.43 24.67,-8.888 24.67,-16.697 v1(24.773,-16.8)
  Bot w0.12: P2.48@-5,1.587 -4.098,1.587 -4.04,1.587 -3.863,1.764 -2.41,1.764 -2.396,1.75 -2.254,1.75 v1(-2.2,1.697)
DIN_CON1: R1.1 TH_DIN.6 | length 6.1
  Top w0.12: v1(6.8,-33.3) 6.8,-31.15 7.4,-30.55 TH_DIN.6@7.4,-29.45
  Bot w0.12: R1.1@6.6,-35.24 6.6,-33.5 v1(6.8,-33.3)
DIN_CON2: R3.1 TH_DIN.7 | length 6.5
  Top w0.12: v1(8.1,-34.6) 8.1,-31.85 9.4,-30.55 TH_DIN.7@9.4,-29.45
  Bot w0.12: v1(8.1,-34.6) 8.1,-34.74 R3.1@8.6,-35.24
DIN_CON3: R5.1 TH_DIN.2 | length 5.9
  Top w0.12: TH_DIN.2@10.4,-29.45 10.45,-29.5 10.45,-31.45 v1(10.5,-31.5)
  Bot w0.12: v1(10.5,-31.5) 10.6,-31.6 R5.1@10.6,-35.24
DIN_MCU1: D1.6 R1.2 R2.2 TP8.1 U7.C1 | length 28.8
  Top w0.12: v1(9.7,-16.7) 10.2,-16.2 U7.C1@10.2,-15.3
  Bot w0.12: R2.2@7.6,-36.16 7.1,-36.16 ; D1.6@8.65,-34.201 8.65,-34.107 8.504,-33.961 8.41,-33.961 8.149,-33.7 7.4,-33.7 7.1,-34 7.1,-36.16 ; v1(9.7,-16.7) 9.239,-17.161 9.239,-17.838 7,-20.077 7,-23.4 6.2,-24.2 6.2,-30.9 5.6,-31.5 5.6,-36.09 5.67,-36.16 R1.2@6.6,-36.16 7.1,-36.16
DIN_MCU2: D1.5 R3.2 R4.2 TP9.1 U7.B1 | length 29.3
  Top w0.12: v1(8.7,-16.8) 9.55,-15.95 U7.B1@9.55,-15.3
  Bot w0.12: v1(8.7,-16.8) 8.7,-18.1 6.804,-19.996 6.804,-23.049 6.004,-23.849 6.004,-30.596 5.4,-31.2 5.4,-36.3 5.706,-36.606 8.154,-36.606 R3.2@8.6,-36.16 9.1,-36.16 ; D1.5@9.3,-34.201 9.154,-34.347 9.154,-34.964 9.1,-35.018 9.1,-36.16 ; R4.2@9.6,-36.16 9.1,-36.16
DIN_MCU3: D1.4 R5.2 R6.2 TP10.1 U7.L8 | length 43.4
  Top w0.2: U7.L8@15.4,-10.75 v1(15.7,-10.45)
  VDD w0.12: v1(12,-31.3) 14.1,-31.3 22.836,-22.564 22.836,-10.036 22.4,-9.6 16.55,-9.6 v1(15.7,-10.45)
  Bot w0.12: D1.4@9.95,-34.201 10.096,-34.347 10.096,-35.656 R5.2@10.6,-36.16 R6.2@11.6,-36.16 12.046,-35.714 12.046,-31.346 v1(12,-31.3)
DOUT_DEN1: U1.4 U7.H13 | length 40.1
  Top w0.12: v1(10.4,9.3) 10.454,9.246 10.454,8.646 13.532,5.568 13.532,-4.621 13.45,-4.703 U7.H13@13.45,-7.5
  Top w0.2: U1.4@-3.99,24.3 v1(-2.3,24.3)
  Bot w0.12: v1(-2.3,24.3) 6.596,15.404 6.596,13.104 v1(10.4,9.3)
DOUT_DEN2: U2.4 U7.L12 | length 52.8
  Top w0.12: v1(8.8,12) 8.8,11.525 10.188,10.136 10.539,10.136 14.215,6.46 14.215,-5.181 15.661,-6.627 15.661,-7.889 U7.L12@15.4,-8.15
  Top w0.2: U2.4@-3.99,35.2 v1(-2.3,35.2)
  Bot w0.12: v1(-2.3,35.2) -1.3,34.2 -1.3,23.855 6.989,15.566 6.989,14.911 8.8,13.1 v1(8.8,12)
DOUT_DEN3: U3.4 U7.G13 | length 47.1
  Top w0.12: v1(9,9.2) 9.808,8.392 10.153,8.392 12.664,5.881 12.664,-4.539 12.8,-4.675 U7.G13@12.8,-7.5
  Top w0.2: v1(-11.8,24.1) U3.4@-11.8,25.79
  Bot w0.12: v1(-11.8,24.1) -11.092,23.392 -8.47,23.392 4.13,10.792 7.408,10.792 v1(9,9.2)
DOUT_DEN4: U4.4 U7.F13 | length 57.2
  Top w0.12: v1(9,8) 9.99,8 11.664,6.326 11.664,-4.539 12.15,-5.025 U7.F13@12.15,-7.5
  Top w0.2: v1(-22.5,24.1) U4.4@-22.5,25.79
  Bot w0.12: v1(-22.5,24.1) -21.4,23 -8.632,23 3.968,10.4 6.6,10.4 v1(9,8)
DOUT_ENA1: U1.3 U7.L13 | length 42.2
  Top w0.12: v1(10.4,9.8) 14.019,6.181 14.019,-5.263 15.4,-6.644 U7.L13@15.4,-7.5
  Top w0.2: U1.3@-3.99,25.5 v1(-2.3,25.5)
  Bot w0.12: v1(-2.3,25.5) -1.496,24.696 -1.496,23.774 6.792,15.485 6.792,13.185 10.14,9.837 10.363,9.837 v1(10.4,9.8)
DOUT_ENA2: U2.3 U7.M13 | length 53.3
  Top w0.12: v1(9.3,11.5) 9.354,11.446 9.506,11.446 14.411,6.542 14.411,-5.1 16.05,-6.739 U7.M13@16.05,-7.5
  Top w0.2: U2.3@-3.99,36.4 v1(-2.3,36.4)
  Bot w0.12: v1(-2.3,36.4) -0.8,34.9 -0.8,23.632 9.3,13.532 v1(9.3,11.5)
DOUT_ENA3: U3.3 U7.H11 | length 47.8
  Top w0.12: v1(9.8,9.1) 10.257,8.643 10.257,8.565 13.336,5.486 13.336,-4.539 13.189,-4.687 13.189,-8.539 U7.H11@13.45,-8.8
  Top w0.2: v1(-10.6,24.1) U3.3@-10.6,25.79
  Bot w0.12: v1(-10.6,24.1) -10.2,23.7 -8.5,23.7 4.211,10.989 7.911,10.989 v1(9.8,9.1)
DOUT_ENA4: U4.3 U7.G12 | length 57.1
  Top w0.12: v1(9.1,8.6) 9.504,8.196 10.071,8.196 12.468,5.8 12.468,-4.621 12.5,-4.653 12.5,-7.85 U7.G12@12.8,-8.15
  Top w0.2: v1(-21.3,24.1) U4.3@-21.3,25.79
  Bot w0.12: v1(-21.3,24.1) -20.396,23.196 -8.551,23.196 4.049,10.596 7.104,10.596 v1(9.1,8.6)
DOUT_IS1: C2.1 R7.1 U7.M6 | length 84.7
  Top w0.12: U7.M6@16.05,-12.05 16.326,-11.774 17.326,-11.774 17.7,-11.4 v1(19,-11.4)
  Bot w0.15: R7.1@-4.06,27.9 -5.6,29.44 -5.6,38.385 -4.259,39.726 7.134,39.726 14.574,32.286 14.574,20.126 14.5,20.052 14.5,6.9 17.779,3.621 17.779,-3.179 20.226,-5.627 20.226,-9.67 19.851,-10.045 19.851,-10.689 19.434,-11.106 C2.1@19.24,-11.3 ; v1(19,-11.4) 19.036,-11.4 C2.1@19.088,-11.452
DOUT_IS2: C4.1 R9.1 U7.N6 | length 72.4
  Top w0.12: U7.N6@16.7,-12.05 18.75,-12.05 v1(19.2,-12.5)
  Bot w0.15: R9.1@-4.06,38.8 -4.049,38.8 -3.349,39.5 7,39.5 14,32.5 14,21.2 14.2,21 14.2,6.8 17.553,3.447 17.553,-3.353 20,-5.8 20,-9.4 19.724,-9.676 19.424,-9.676 18.649,-10.451 18.649,-11.709 19.2,-12.26 v1(19.2,-12.5)
DOUT_IS3: C6.1 R11.1 U7.J4 | length 95
  Top w0.12: U7.J4@14.1,-13.35 14.474,-13.724 16.164,-13.724 16.424,-13.983 16.424,-14.114 16.683,-14.374 19.326,-14.374 v1(19.7,-14)
  Bot w0.15: R11.1@-8.2,25.86 -5.874,28.186 -5.874,38.431 -4.353,39.952 7.228,39.952 14.8,32.38 14.8,6.97 18.854,2.916 18.854,1.846 20.452,0.248 20.452,-6.956 20.5,-7.003 20.5,-9.1 20.851,-9.451 20.851,-13.352 20.203,-14 v1(19.7,-14) 19.3,-14 19.24,-13.94 C6.1@19.24,-13.3
DOUT_IS4: C8.1 R13.1 U7.K4 | length 105.9
  Top w0.15: U7.K4@14.75,-13.35 15.027,-13.073 15.027,-12.682 15.286,-12.424 18.224,-12.424 v1(18.6,-12.8)
  Bot w0.15: R13.1@-18.9,25.86 -10.44,25.86 -6.1,30.2 -6.1,38.8 -4.721,40.179 7.321,40.179 15.026,32.474 15.026,7.074 19.124,2.976 19.124,1.895 20.679,0.341 20.679,-6.862 21.451,-7.634 21.451,-9 21.851,-9.4 21.851,-12.271 C8.1@21.96,-12.38 ; v1(18.6,-12.8) 18.6,-13.403 18.922,-13.725 18.922,-13.942 19.331,-14.351 20.172,-14.351 21.077,-13.446 21.077,-13.263 C8.1@21.84,-12.5 21.89,-12.45 21.96,-12.45 v1(22.05,-12.45)
DOUT_PWR1: C3.1 DOUT.1 U1.5 U1.6 U1.7 U1.8 | length 3.8
  Bot w0.5: C3.1@-10.4,33.75 -10.4,30.01 DOUT.1@-10.36,29.97
DOUT_PWR2: C7.1 DOUT.2 U2.5 U2.6 U2.7 U2.8 | length 3.8
  Bot w0.5: DOUT.2@-14.32,29.97 -14.32,33.73 C7.1@-14.3,33.75
DOUT_PWR3: C96.1 DOUT.3 U3.5 U3.6 U3.7 U3.8 | length 3.9
  Bot w0.5: C96.1@-18.38,33.67 C96.1@-18.3,33.75 -18.28,33.73 DOUT.3@-18.28,29.97
DOUT_PWR4: C98.1 DOUT.4 U4.5 U4.6 U4.7 U4.8 | length 3.8
  Bot w0.5: DOUT.4@-22.24,29.97 -22.24,33.71 C98.1@-22.2,33.75
ENABLE_DRIVERS: P2.40 U7.A7 | length 17.9
  Top w0.12: v1(8.3,-11.4) U7.A7@8.9,-11.4
  VDD w0.12: v1(-0.2,-8.2) -0.146,-8.146 0.169,-8.146 0.244,-8.071 0.48,-8.071 3.809,-11.4 v1(8.3,-11.4)
  Bot w0.12: P2.40@-5,-3.492 -4.992,-3.5 -3.77,-3.5 -3.7,-3.57 -3.7,-4.068 -2.871,-4.897 -2.871,-5.437 -0.993,-7.315 -0.993,-7.407 v1(-0.2,-8.2)
ENCQD_ENC_A: U7.K13 U17.3 | length 40.4
  Top w0.12: U17.3@-6,-20.8 -4.9,-20.8 -4.085,-19.985 -4.085,-19.215 -3.1,-18.23 -3.1,-9.4 v1(-2.5,-8.8) ; v1(14.3,-6.2) 14.3,-6.607 14.75,-7.057 U7.K13@14.75,-7.5
  VDD w0.12: v1(-2.5,-8.8) -2.953,-8.8 -4.2,-7.553 -4.2,-4.957 -3.027,-3.785 -0.125,-3.785 2.088,-5.998 6.009,-5.998 6.015,-5.993 6.456,-5.993 6.461,-5.998 14.09,-5.998 14.291,-6.2 v1(14.3,-6.2)
ENCQD_ENC_B: U7.J13 U17.4 | length 35.9
  Top w0.12: U17.4@-6,-20.3 -5.1,-20.3 -4.5,-19.7 -4.5,-19.3 -3.296,-18.096 -3.296,-9.121 -2.568,-8.392 -2.568,-7.67 -2.3,-7.402 v1(-2.3,-7.4) ; v1(13.8,-6.5) 13.8,-7.2 U7.J13@14.1,-7.5
  VDD w0.12: v1(-2.3,-7.4) -2.3,-6.355 -1.836,-5.891 -1.836,-4.661 -1.239,-4.064 -0.124,-4.064 2.007,-6.194 6.09,-6.194 6.096,-6.189 6.374,-6.189 6.38,-6.194 13.494,-6.194 v1(13.8,-6.5)
ENCQD_ENC_I: U7.L10 U17.5 | length 40.6
  Top w0.12: U17.5@-6,-19.8 -5.277,-19.8 -3.492,-18.015 -3.492,-9.039 -2.764,-8.311 -2.764,-7.364 -0.764,-5.364 -0.764,-3.357 -1,-3.121 v1(-1,-3.056)
  Top w0.2: U7.L10@15.4,-9.45 v1(15.7,-9.15)
  VDD w0.12: v1(-1,-3.056) -0.021,-3.056 2.332,-5.41 5.765,-5.41 5.771,-5.404 6.7,-5.404 6.705,-5.41 14.54,-5.41 15.504,-6.373 15.504,-8.756 15.7,-8.952 v1(15.7,-9.15)
ENCQD_RES_A: U6.29 U7.K9 | length 55.1
  Top w0.12: U6.29@-30.3,-12.6 -27.1,-12.6 v1(-26.6,-12.1)
  Top w0.2: U7.K9@14.75,-10.1 v1(15.05,-10.4)
  VDD w0.12: v1(-6.5,-4.3) -4.145,-4.3 -3.237,-3.392 0.037,-3.392 2.251,-5.606 5.847,-5.606 5.852,-5.6 6.618,-5.6 6.624,-5.606 14.459,-5.606 15.2,-6.347 15.2,-8.5 15.05,-8.65 v1(15.05,-10.4)
  Bot w0.12: v1(-26.6,-12.1) -25.496,-10.996 -24.549,-10.996 -21.032,-7.479 -10.401,-7.479 -7.626,-4.704 -6.904,-4.704 v1(-6.5,-4.3)
ENCQD_RES_B: U6.30 U7.K10 | length 57.1
  Top w0.12: U6.30@-30.3,-13.1 v1(-27.6,-13.1) ; U7.K10@14.75,-9.45 15.1,-9.8 15.79,-9.8 v1(15.815,-9.775)
  VDD w0.12: v1(-6.6,-3.4) -5.92,-2.72 -0.08,-2.72 2.413,-5.213 5.684,-5.213 5.69,-5.208 6.781,-5.208 6.786,-5.213 14.621,-5.213 16.036,-6.628 16.036,-9.478 15.815,-9.699 v1(15.815,-9.775)
  Bot w0.12: v1(-27.6,-13.1) -27.6,-12.5 -25.9,-10.8 -24.7,-10.8 -21,-7.1 -18.575,-7.1 -18.539,-7.136 -10.336,-7.136 v1(-6.6,-3.4)
ENCQD_RES_I: U6.31 U7.K12 | length 52.7
  Top w0.12: U6.31@-30.3,-13.6 -26.876,-13.6 -26.776,-13.7 v1(-26.7,-13.7) ; v1(14.7,-6.5) 15.011,-6.811 15.011,-7.889 U7.K12@14.75,-8.15
  VDD w0.12: v1(-6.4,-4.9) -4.42,-4.9 -3.109,-3.589 -0.044,-3.589 2.17,-5.802 5.928,-5.802 5.933,-5.797 6.537,-5.797 6.543,-5.802 14.377,-5.802 14.636,-6.061 14.636,-6.2 14.646,-6.21 14.646,-6.446 v1(14.7,-6.5)
  Bot w0.12: v1(-26.7,-13.7) -24.4,-11.4 -24.4,-11.125 -20.95,-7.675 -10.32,-7.675 -7.545,-4.9 v1(-6.4,-4.9)